# KiCad board TRX055.01.01.PB.00.00.kicad_pcb (continued)
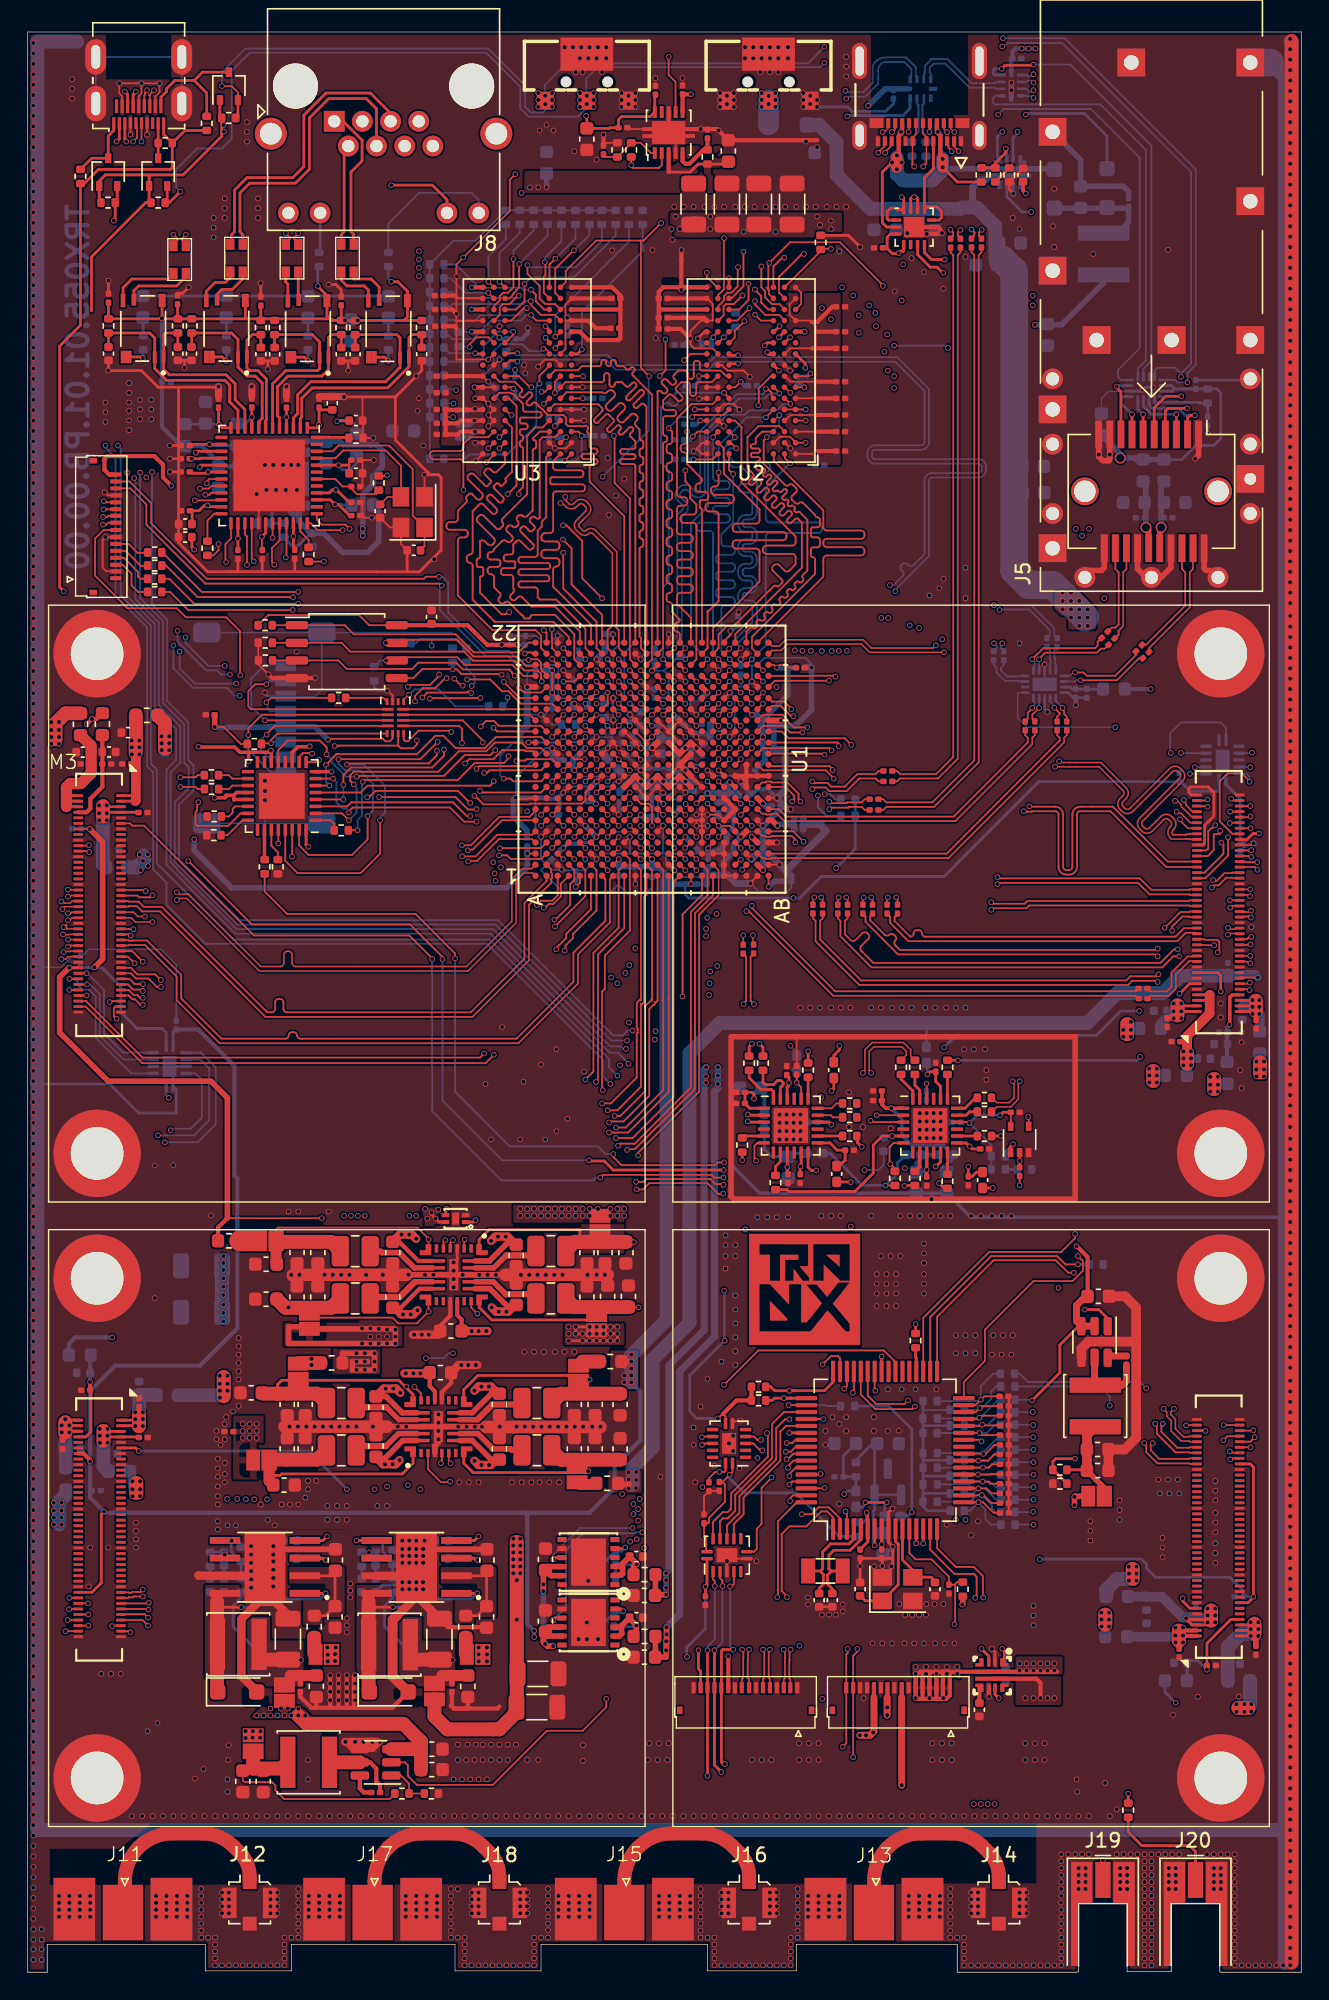
[diagram p0: board, top side]
## Routing (per net, layer and track width the routed paths; a pad name or vN(x,y) marks a point on that pad's centre or on a via; arc(x,y) is an arc through that point) (continued)
/ZynqDDR/DDR_A3: length 94.2
  Top w0.127: 54.58,119 54.17,119.41 53.17,119.41 52.43,120.15 v1(52.43,120.4) ; U1.L19 v1(44.2,93.8) ; 38.41,119 38,119.41 36.99,119.41 36.26,120.14 v1(36.26,120.4)
  In2.Cu w0.127: v1(63,120.45) 62.1,119.55 v1(61.1,119.55) ; v1(52.43,120.4) 52.28,120.25 52.2,120.25 52.18,120.26 51.88,120.26 51.86,120.25 44.44,120.25 arc(44.35,120.21) 44.31,120.12 arc(44.28,120.03) 44.19,120 43.84,120 arc(43.75,120.03) 43.71,120.12 arc(43.68,120.21) 43.59,120.25 36.41,120.25 v1(36.26,120.4)
  In4.Cu w0.127: v1(63,120.45) 63,120.4 64.49,118.91 64.49,106.61 64.23,106.35 arc(64.06,106.28) 63.89,106.35 63.63,106.62 arc(63.46,106.69) 63.29,106.62 63.21,106.53 arc(63.14,106.36) 63.21,106.19 63.47,105.93 arc(63.54,105.76) 63.47,105.59 62.88,105 arc(62.84,104.9) 62.88,104.79 arc(62.93,104.68) 62.88,104.58 62.67,104.37 arc(62.56,104.32) 62.46,104.37 61.92,104.9 arc(61.75,104.97) 61.58,104.9 61.5,104.82 arc(61.43,104.65) 61.5,104.48 62.03,103.94 arc(62.08,103.84) 62.03,103.73 61.82,103.52 arc(61.71,103.47) 61.61,103.52 61.07,104.05 arc(60.9,104.13) 60.73,104.05 60.65,103.97 arc(60.58,103.8) 60.65,103.63 61.18,103.09 arc(61.23,102.99) 61.18,102.88 60.97,102.67 arc(60.87,102.62) 60.76,102.67 60.22,103.21 arc(60.05,103.28) 59.88,103.21 59.8,103.12 arc(59.73,102.95) 59.8,102.78 60.39,102.19 arc(60.45,102.03) 60.39,101.87 60.28,101.77 arc(60.12,101.7) 59.96,101.77 arc(59.81,101.83) 59.65,101.77 59.27,101.39 58.62,101.39 arc(58.45,101.46) 58.38,101.63 58.38,101.8 arc(58.31,101.97) 58.14,102.04 58.02,102.04 arc(57.85,101.97) 57.78,101.8 57.78,101.63 arc(57.71,101.46) 57.54,101.39 57.42,101.39 arc(57.25,101.46) 57.18,101.63 57.18,101.8 arc(57.11,101.97) 56.94,102.04 56.82,102.04 arc(56.65,101.97) 56.58,101.8 56.58,101.63 arc(56.51,101.46) 56.34,101.39 56.22,101.39 arc(56.05,101.46) 55.98,101.63 55.98,101.8 arc(55.91,101.97) 55.74,102.04 55.62,102.04 arc(55.45,101.97) 55.38,101.8 55.38,101.63 arc(55.31,101.46) 55.14,101.39 54.89,101.39 54.43,100.93 arc(54.29,100.87) 54.15,100.93 arc(54.01,100.99) 53.86,100.93 53.72,100.79 arc(53.66,100.65) 53.72,100.51 53.95,100.28 arc(53.99,100.19) 53.95,100.1 53.71,99.85 arc(53.62,99.82) 53.53,99.85 53.3,100.08 arc(53.16,100.14) 53.02,100.08 52.87,99.94 arc(52.82,99.8) 52.87,99.66 53.1,99.43 arc(53.14,99.34) 53.1,99.25 52.86,99 arc(52.77,98.97) 52.68,99 arc(52.59,99.04) 52.5,99 52.03,98.53 50.73,98.53 arc(50.56,98.46) 50.49,98.29 50.49,98.07 arc(50.42,97.9) 50.25,97.83 50.13,97.83 arc(49.96,97.9) 49.89,98.07 49.89,98.29 arc(49.82,98.46) 49.65,98.53 48.83,98.53 46.56,96.26 46.56,96.25 46.35,96.04 46.34,96.04 45.2,94.9 45.2,94.8 v1(44.2,93.8) ; v1(61.1,119.55) 60.65,119.55 59.8,120.4 v1(52.43,120.4) ; v1(36.26,120.4) 36.16,120.3
  Bottom w0.127: v1(36.26,120.4) 35.95,120.4 35.75,120.2 30.63,120.2 30.48,120.05 R40.1
/ZynqDDR/DDR_A4: length 91.7
  Top w0.127: 49.78,119.8 49.78,120.05 50.19,120.46 50.19,120.75 50.19,120.76 50.19,120.76 50.44,121.01 50.72,121.01 51.18,121.47 51.18,122.83 v1(51.2,122.85) ; v1(35.01,123.44) 35.01,122.96 35.01,122.96 35.01,121.4 34.62,121.01 34.27,121.01 34.02,120.76 34.02,120.46 33.61,120.05 33.61,119.8
  Top w0.2: U1.K17 v1(43.43,92.17)
  In2.Cu w0.127: v1(63.1,123.05) 54.36,123.05 53.84,123.57 51.92,123.57 v1(51.2,122.85) 36.97,122.85 36.37,123.45 35.42,123.45 35.41,123.44 v1(35.01,123.44)
  In4.Cu w0.127: v1(63.1,123.05) 63.11,123.05 67.26,118.91 67.26,102.66 63.1,98.5 56.9,98.5 53.98,95.58 53.88,95.58 52.52,94.22 49.71,94.22 48.64,93.15 48.64,92.85 48.42,92.64 48.12,92.64 47.84,92.35 47.84,92.05 47.59,91.8 U1.K17 v1(43.43,92.17)
  Bottom w0.127: R36.1 36.47,125.49 35.01,124.03 v1(35.01,123.44)
/ZynqDDR/DDR_A5: length 96.6
  Top w0.127: v1(52.88,122.9) 52.88,121.4 53.15,121.12 53.15,120.67 53.64,120.19 54.19,120.19 54.58,119.8 ; 38.41,119.8 38.02,120.19 37.47,120.19 37.45,120.21 37.29,120.21 36.9,120.6 36.9,121.5 36.02,122.38 v1(36.02,123)
  Top w0.2: U1.K18 v1(43.4,93)
  In2.Cu w0.127: v1(52.88,122.9) 53.03,122.75 58.05,122.75 59.1,121.7 59.1,105.95 57.65,104.5 49.85,104.5 43.76,98.41 43.76,93.36 v1(43.4,93)
  In4.Cu w0.127: v1(52.88,122.9) 52.48,122.5 51.37,122.5 51.35,122.49 51.05,122.49 51.03,122.5 50.15,122.5 49.55,121.9 46.53,121.9 arc(46.36,121.83) 46.29,121.66 46.29,121.16 arc(46.22,120.99) 46.05,120.92 45.93,120.92 arc(45.76,120.99) 45.69,121.16 45.69,122.64 arc(45.62,122.81) 45.45,122.88 45.33,122.88 arc(45.16,122.81) 45.09,122.64 45.09,121.16 arc(45.02,120.99) 44.85,120.92 44.73,120.92 arc(44.56,120.99) 44.49,121.16 44.49,122.44 arc(44.42,122.61) 44.25,122.68 44.13,122.68 arc(43.96,122.61) 43.89,122.44 43.89,121.16 arc(43.82,120.99) 43.65,120.92 43.53,120.92 arc(43.36,120.99) 43.29,121.16 43.29,122.44 arc(43.22,122.61) 43.05,122.68 42.93,122.68 arc(42.76,122.61) 42.69,122.44 42.69,121.16 arc(42.62,120.99) 42.45,120.92 42.33,120.92 arc(42.16,120.99) 42.09,121.16 42.09,121.66 arc(42.02,121.83) 41.85,121.9 41.73,121.9 arc(41.56,121.83) 41.49,121.66 41.49,121.16 arc(41.42,120.99) 41.25,120.92 41.13,120.92 arc(40.96,120.99) 40.89,121.16 40.89,122.44 arc(40.82,122.61) 40.65,122.68 40.53,122.68 arc(40.36,122.61) 40.29,122.44 40.29,121.31 arc(40.22,121.14) 40.05,121.07 39.93,121.07 arc(39.76,121.14) 39.69,121.31 39.69,121.66 arc(39.62,121.83) 39.45,121.9 39.2,121.9 38.75,122.35 36.95,122.35 36.3,123 v1(36.02,123)
  Bottom w0.127: v1(36.02,123) 36.17,122.85 39.51,122.85 41.39,124.72 R33.1
/ZynqDDR/DDR_A6: length 104.2
  Top w0.127: v1(50.2,124.95) 50.18,124.93 50.18,121.25 49.78,120.85 49.78,120.6 ; U3.R8 v1(33.2,121)
  Top w0.2: U1.J16 v1(42.6,91.4)
  In4.Cu w0.127: v1(33.2,121) 33.95,121 34.45,121.5 34.45,124.16 35.48,125.19 49.96,125.19 v1(50.2,124.95) 60.33,124.95 65.74,119.54 65.74,109.1 arc(65.79,108.98) 65.91,108.93 arc(66.04,108.88) 66.09,108.75 66.09,108.5 arc(66.04,108.38) 65.91,108.33 65.54,108.33 arc(65.4,108.27) 65.34,108.13 65.34,107.93 arc(65.4,107.79) 65.54,107.73 65.91,107.73 arc(66.04,107.68) 66.09,107.55 66.09,107.3 arc(66.04,107.18) 65.91,107.13 65.54,107.13 arc(65.4,107.07) 65.34,106.93 65.34,106.73 arc(65.4,106.59) 65.54,106.53 65.91,106.53 arc(66.04,106.48) 66.09,106.35 66.09,106.1 arc(66.04,105.98) 65.91,105.93 65.54,105.93 arc(65.4,105.87) 65.34,105.73 65.34,105.53 arc(65.4,105.39) 65.54,105.33 65.91,105.33 arc(66.04,105.28) 66.09,105.15 66.09,104.9 arc(66.04,104.78) 65.91,104.73 65.48,104.73 arc(65.31,104.66) 65.24,104.49 65.24,104.37 arc(65.31,104.2) 65.48,104.13 65.5,104.13 arc(65.67,104.06) 65.74,103.89 65.74,103.24 65.33,102.83 arc(65.16,102.76) 64.99,102.83 64.44,103.37 arc(64.27,103.44) 64.1,103.37 64.02,103.29 arc(63.95,103.12) 64.02,102.95 64.56,102.4 arc(64.63,102.23) 64.56,102.06 63.45,100.95 62,100.95 61.1,100.05 55.2,100.05 52.25,97.1 48.95,97.1 47.9,96.05 47.53,96.05 46.96,95.48 46.96,95.16 46.9,95.1 46.9,94.62 44.92,92.64 43.38,92.64 43.06,92.32 43.06,91.86 v1(42.6,91.4)
  Bottom w0.127: 43.72,95.77 43.01,95.06 43.01,91.81 v1(42.6,91.4) ; R30.1 30.5,122.05 31.55,121 v1(33.2,121)
/ZynqDDR/DDR_A7: length 102.5
  Top w0.127: v1(39.37,124.06) 39.35,124.06 38.89,123.61 38.02,122.74 38.02,120.99 38.41,120.6 ; 54.58,120.6 54.19,120.99 54.17,120.99 54.15,121.01 54.15,122.15 55.8,123.8 v1(55.95,123.8)
  Top w0.2: U1.J17 v1(42.6,92.2)
  In4.Cu w0.127: v1(39.37,124.06) 39.76,124.45 55.3,124.45 v1(55.95,123.8) 56.22,123.53 60.72,123.53 65.07,119.18 65.07,104.72 63.8,103.45 arc(63.63,103.38) 63.46,103.45 62.87,104.04 arc(62.7,104.11) 62.53,104.04 62.45,103.95 arc(62.38,103.78) 62.45,103.61 63.93,102.14 arc(64,101.97) 63.93,101.8 63.84,101.71 arc(63.67,101.64) 63.5,101.71 62.03,103.19 arc(61.86,103.26) 61.69,103.19 61.6,103.1 arc(61.53,102.93) 61.6,102.76 62.69,101.68 arc(62.76,101.51) 62.69,101.34 62.61,101.25 arc(62.44,101.18) 62.27,101.25 61.18,102.34 arc(61.01,102.41) 60.84,102.34 60.75,102.26 arc(60.68,102.09) 60.75,101.92 61.34,101.33 arc(61.41,101.16) 61.34,100.99 60.88,100.53 60.2,100.53 arc(60.13,100.5) 60.1,100.42 arc(60.07,100.35) 59.99,100.32 59.6,100.32 arc(59.53,100.35) 59.5,100.42 59.5,100.9 arc(59.43,101.07) 59.26,101.14 59.14,101.14 arc(58.97,101.07) 58.9,100.9 58.9,100.42 arc(58.87,100.35) 58.79,100.32 58.4,100.32 arc(58.33,100.35) 58.3,100.42 58.3,100.9 arc(58.23,101.07) 58.06,101.14 57.94,101.14 arc(57.77,101.07) 57.7,100.9 57.7,100.42 arc(57.67,100.35) 57.59,100.32 57.2,100.32 arc(57.13,100.35) 57.1,100.42 57.1,100.9 arc(57.03,101.07) 56.86,101.14 56.74,101.14 arc(56.57,101.07) 56.5,100.9 56.5,100.42 arc(56.47,100.35) 56.39,100.32 56,100.32 arc(55.93,100.35) 55.9,100.42 55.9,100.9 arc(55.83,101.07) 55.66,101.14 55.54,101.14 arc(55.37,101.07) 55.3,100.9 55.3,100.77 arc(55.23,100.6) 55.06,100.53 54.73,100.53 51.8,97.6 48.9,97.6 47.6,96.3 46.96,96.3 46.2,95.54 46.2,94.46 45.15,93.41 43.3,93.41 43.04,93.15 43.04,92.64 v1(42.6,92.2)
  Bottom w0.127: R38.1 40.48,125.18 v1(39.37,124.06) ; v1(42.6,92.2) 42.2,92.6 42.2,95.23 43,96.03
/ZynqDDR/DDR_A8: length 92.1
  Top w0.1: v1(33.2,121.8) U3.T8
  Top w0.127: v1(48.95,122.45) 48.95,122.15 49.7,121.4 U2.T8
  Top w0.2: U1.J18 v1(42.6,93)
  In2.Cu w0.127: 37.1,122.45 v1(48.95,122.45) 55.55,122.45 arc(55.62,122.42) 55.65,122.35 55.65,121.78 arc(55.68,121.71) 55.75,121.68 55.8,121.68 arc(55.87,121.71) 55.9,121.78 55.9,122.35 arc(55.93,122.42) 56,122.45 56.05,122.45 arc(56.12,122.42) 56.15,122.35 56.15,120.38 arc(56.18,120.31) 56.25,120.28 56.3,120.28 arc(56.37,120.31) 56.4,120.38 56.4,122.35 arc(56.43,122.42) 56.5,122.45 56.55,122.45 arc(56.62,122.42) 56.65,122.35 56.65,120.38 arc(56.68,120.31) 56.75,120.28 56.8,120.28 arc(56.87,120.31) 56.9,120.38 56.9,122.35 arc(56.93,122.42) 57,122.45 58.35,121.1 58.35,120.28 arc(58.28,120.11) 58.11,120.04 58.09,120.04 arc(57.92,119.97) 57.85,119.8 57.85,119.68 arc(57.92,119.51) 58.09,119.44 58.11,119.44 arc(58.28,119.37) 58.35,119.2 58.35,118.95 arc(58.3,118.83) 58.17,118.78 arc(58.05,118.72) 58,118.6 58,118.35 arc(58.05,118.23) 58.17,118.17 arc(58.3,118.12) 58.35,118 58.35,108.7 arc(58.29,108.56) 58.15,108.5 arc(58.01,108.44) 57.95,108.3 57.95,108.1 arc(58.01,107.96) 58.15,107.9 arc(58.29,107.84) 58.35,107.7 57.59,106.94 arc(57.52,106.77) 57.59,106.6 57.67,106.51 arc(57.74,106.34) 57.67,106.17 57.59,106.09 arc(57.42,106.02) 57.25,106.09 56.77,106.56 arc(56.61,106.63) 56.44,106.56 56.35,106.48 arc(56.28,106.31) 56.35,106.14 56.4,106.09 arc(56.47,105.92) 56.4,105.75 55.15,105.75 arc(55.06,105.71) 55.03,105.62 arc(54.99,105.54) 54.9,105.5 54.55,105.5 arc(54.46,105.54) 54.42,105.62 arc(54.39,105.71) 54.3,105.75 53.95,105.75 arc(53.86,105.71) 53.83,105.62 arc(53.79,105.54) 53.7,105.5 53.35,105.5 arc(53.26,105.54) 53.22,105.62 arc(53.19,105.71) 53.1,105.75 52.75,105.75 arc(52.66,105.71) 52.62,105.62 arc(52.59,105.54) 52.5,105.5 52.15,105.5 arc(52.06,105.54) 52.03,105.62 arc(51.99,105.71) 51.9,105.75 51.55,105.75 arc(51.46,105.71) 51.42,105.62 arc(51.39,105.54) 51.3,105.5 50.95,105.5 arc(50.86,105.54) 50.83,105.62 arc(50.79,105.71) 50.7,105.75 50.35,105.75 arc(50.26,105.71) 50.22,105.62 arc(50.19,105.54) 50.1,105.5 49.75,105.5 arc(49.66,105.54) 49.62,105.62 arc(49.59,105.71) 49.5,105.75 48.76,105.01 arc(48.71,104.88) 48.76,104.76 arc(48.81,104.64) 48.76,104.51 48.58,104.34 arc(48.46,104.29) 48.33,104.34 arc(48.21,104.39) 48.09,104.34 47.91,104.16 arc(47.86,104.04) 47.91,103.91 arc(47.96,103.79) 47.91,103.67 47.73,103.49 arc(47.61,103.44) 47.49,103.49 arc(47.36,103.54) 47.24,103.49 47.06,103.31 arc(47.01,103.19) 47.06,103.06 arc(47.11,102.94) 47.06,102.82 46.88,102.64 arc(46.76,102.59) 46.64,102.64 arc(46.51,102.69) 46.39,102.64 46.21,102.46 arc(46.16,102.34) 46.21,102.22 arc(46.26,102.09) 46.21,101.97 46.04,101.79 arc(45.91,101.74) 45.79,101.79 arc(45.67,101.84) 45.54,101.79 45.36,101.61 arc(45.31,101.49) 45.36,101.37 arc(45.42,101.24) 45.36,101.12 45.19,100.94 arc(45.06,100.89) 44.94,100.94 arc(44.82,100.99) 44.69,100.94 44.52,100.77 arc(44.46,100.64) 44.52,100.52 arc(44.57,100.39) 44.52,100.27 44.34,100.09 arc(44.22,100.04) 44.09,100.09 43.54,100.65 arc(43.37,100.72) 43.2,100.65 43.11,100.56 arc(43.04,100.39) 43.11,100.23 43.37,99.96 arc(43.44,99.79) 43.37,99.62 42.9,99.15 42.9,96.25 42.96,96.19 42.96,93.36 v1(42.6,93) ; 37.1,122.45 36.55,122.45 36.49,122.51 36.31,122.51 arc(36.24,122.49) 36.21,122.41 arc(36.18,122.34) 36.11,122.31 35.98,122.31 arc(35.91,122.34) 35.88,122.41 arc(35.85,122.49) 35.78,122.51 35.65,122.51 arc(35.58,122.49) 35.55,122.41 arc(35.52,122.34) 35.45,122.31 35.32,122.31 arc(35.25,122.34) 35.22,122.41 35.22,122.68 arc(35.18,122.78) 35.09,122.81 35.02,122.81 arc(34.93,122.78) 34.89,122.68 34.89,122.15 arc(34.85,122.05) 34.76,122.01 34.69,122.01 arc(34.6,122.05) 34.56,122.15 34.56,122.38 arc(34.52,122.48) 34.43,122.51 34.08,122.16 33.56,122.16 v1(33.2,121.8) ; 37.1,122.45 37,122.45
  In4.Cu w0.127: v1(33.2,121.8) 33.25,121.85
  Bottom w0.1: v1(33.2,121.8) 33.11,121.8
  Bottom w0.127: v1(33.2,121.8) 33.21,121.81 33.21,123.61 34.47,124.87 R16.1
/ZynqDDR/DDR_A9: length 94
  Top w0.127: 53.43,121.2 53.39,121.24 53.39,123.08 v1(53.45,123.15) 54.95,124.64 58.56,124.64 61.48,121.72 61.48,121.67 v1(61.65,121.5) ; 53.43,121.2 53.25,121.38 ; 53.43,121.2 53.43,120.92 U2.R3 53.78,120.6 ; 37.32,123.17 37.32,122.29 37.2,122.17 37.2,121.01 37.61,120.6 37.61,120.6
  Top w0.2: U1.H18 v1(41.8,93)
  In4.Cu w0.127: v1(53.45,123.15) 53.34,123.26 44.36,123.26 44.01,122.91 42.08,122.91 arc(41.91,122.84) 41.84,122.67 41.84,122.4 arc(41.77,122.23) 41.6,122.16 41.48,122.16 arc(41.31,122.23) 41.24,122.4 41.24,123.22 arc(41.17,123.39) 41,123.46 40.88,123.46 arc(40.71,123.39) 40.64,123.22 40.64,123.15 arc(40.57,122.98) 40.4,122.91 37.48,122.91 37.28,123.11 ; v1(61.65,121.5) 61.65,121.17 63.7,119.12 63.7,107.37 62.37,106.05 arc(62.21,105.98) 62.04,106.05 61.44,106.64 arc(61.27,106.71) 61.1,106.64 61.02,106.56 arc(60.95,106.39) 61.02,106.22 61.61,105.62 arc(61.68,105.45) 61.61,105.29 61.53,105.2 arc(61.36,105.13) 61.19,105.2 60.59,105.79 arc(60.42,105.86) 60.25,105.79 60.17,105.71 arc(60.1,105.54) 60.17,105.37 60.76,104.78 arc(60.83,104.61) 60.76,104.44 60.68,104.35 arc(60.51,104.28) 60.34,104.35 59.74,104.95 arc(59.57,105.02) 59.41,104.95 59.32,104.86 arc(59.25,104.69) 59.32,104.52 59.91,103.93 arc(59.98,103.76) 59.91,103.59 59.83,103.5 arc(59.66,103.43) 59.49,103.5 58.9,104.1 arc(58.73,104.17) 58.56,104.1 58.47,104.01 arc(58.4,103.84) 58.47,103.67 59.07,103.08 arc(59.14,102.91) 59.07,102.74 58.61,102.28 57.76,102.28 arc(57.59,102.35) 57.52,102.52 57.52,102.81 arc(57.45,102.98) 57.28,103.05 57.16,103.05 arc(56.99,102.98) 56.92,102.81 56.92,102.52 arc(56.85,102.35) 56.68,102.28 56.56,102.28 arc(56.39,102.35) 56.32,102.52 56.32,102.81 arc(56.25,102.98) 56.08,103.05 55.96,103.05 arc(55.79,102.98) 55.72,102.81 55.72,102.52 arc(55.65,102.35) 55.48,102.28 54.83,102.28 54.37,101.82 arc(54.2,101.75) 54.03,101.82 53.94,101.92 arc(53.77,101.99) 53.6,101.92 53.51,101.84 arc(53.44,101.67) 53.51,101.5 53.61,101.4 arc(53.68,101.23) 53.61,101.06 53.53,100.98 arc(53.36,100.9) 53.19,100.98 53.09,101.07 arc(52.92,101.14) 52.75,101.07 52.66,100.99 arc(52.59,100.82) 52.66,100.65 52.76,100.55 arc(52.83,100.38) 52.76,100.21 51.4,98.85 47.93,98.85 43.04,93.95 43.04,93.65 42.82,93.44 42.24,93.44 v1(41.8,93)
  Bottom w0.127: v1(37.28,123.22) 37.28,123.52 38.47,124.72 R37.1
/ZynqDDR/DDR_A10: length 95.1
  Top w0.127: 50.58,117.4 50.97,117.79 50.97,118.27 v1(51.67,118.97) ; 34.41,117.4 35,117.99 v1(35,118.2)
  Top w0.2: U1.J20 v1(42.6,94.6)
  In2.Cu w0.127: v1(57.9,119.1) 57.9,119 57.65,118.75 57.65,117.9 arc(57.7,117.78) 57.82,117.73 57.94,117.73 arc(58.06,117.68) 58.11,117.56 58.11,117.47 arc(58.06,117.35) 57.94,117.3 57.82,117.3 arc(57.7,117.25) 57.65,117.13 57.65,117.04 arc(57.7,116.92) 57.82,116.87 57.94,116.87 arc(58.06,116.82) 58.11,116.7 58.11,116.61 arc(58.06,116.49) 57.94,116.44 57.82,116.44 arc(57.7,116.39) 57.65,116.27 57.65,116.18 arc(57.7,116.06) 57.82,116.01 57.94,116.01 arc(58.06,115.96) 58.11,115.84 58.11,115.75 arc(58.06,115.63) 57.94,115.58 57.82,115.58 arc(57.7,115.53) 57.65,115.41 57.65,115.32 arc(57.7,115.2) 57.82,115.15 57.94,115.15 arc(58.06,115.1) 58.11,114.98 58.11,114.89 arc(58.06,114.77) 57.94,114.72 57.82,114.72 arc(57.7,114.67) 57.65,114.55 57.65,114.46 arc(57.7,114.34) 57.82,114.29 57.94,114.29 arc(58.06,114.24) 58.11,114.12 58.11,114.03 arc(58.06,113.91) 57.94,113.86 57.82,113.86 arc(57.7,113.81) 57.65,113.69 57.65,113.6 arc(57.7,113.48) 57.82,113.43 57.94,113.43 arc(58.06,113.38) 58.11,113.26 58.11,113.17 arc(58.06,113.05) 57.94,113 57.82,113 arc(57.7,112.95) 57.65,112.83 57.65,112.74 arc(57.7,112.62) 57.82,112.57 57.94,112.57 arc(58.06,112.52) 58.11,112.4 58.11,112.31 arc(58.06,112.19) 57.94,112.14 57.82,112.14 arc(57.7,112.09) 57.65,111.97 57.65,111.88 arc(57.7,111.76) 57.82,111.71 57.94,111.71 arc(58.06,111.66) 58.11,111.54 58.11,111.45 arc(58.06,111.33) 57.94,111.28 57.82,111.28 arc(57.7,111.23) 57.65,111.11 57.65,111.02 arc(57.7,110.9) 57.82,110.85 57.94,110.85 arc(58.06,110.8) 58.11,110.68 58.11,110.59 arc(58.06,110.47) 57.94,110.42 57.55,110.42 arc(57.47,110.39) 57.44,110.32 57.44,110.1 arc(57.47,110.02) 57.55,109.99 57.94,109.99 arc(58.06,109.94) 58.11,109.82 58.11,109.73 arc(58.06,109.61) 57.94,109.56 57.82,109.56 arc(57.7,109.51) 57.65,109.39 57.65,109.3 arc(57.7,109.18) 57.82,109.13 57.94,109.13 arc(58.06,109.08) 58.11,108.96 58.11,108.87 arc(58.06,108.75) 57.94,108.7 57.31,108.7 arc(57.19,108.65) 57.14,108.53 57.14,108.44 arc(57.19,108.32) 57.31,108.27 57.48,108.27 arc(57.6,108.22) 57.65,108.1 57.09,107.54 arc(57.04,107.42) 57.09,107.3 57.21,107.18 arc(57.26,107.06) 57.21,106.94 57.15,106.88 arc(57.03,106.83) 56.9,106.88 56.28,107.5 arc(56.16,107.55) 56.04,107.5 55.98,107.43 arc(55.93,107.31) 55.98,107.19 56.24,106.93 arc(56.29,106.81) 56.24,106.69 55.9,106.35 55.44,106.35 arc(55.32,106.3) 55.27,106.18 55.27,106.16 arc(55.22,106.04) 55.1,105.99 55.01,105.99 arc(54.89,106.04) 54.84,106.16 54.84,106.18 arc(54.79,106.3) 54.67,106.35 54.58,106.35 arc(54.46,106.3) 54.41,106.18 54.41,106.16 arc(54.36,106.04) 54.24,105.99 54.15,105.99 arc(54.03,106.04) 53.98,106.16 53.98,106.18 arc(53.93,106.3) 53.81,106.35 53.72,106.35 arc(53.6,106.3) 53.55,106.18 53.55,106.16 arc(53.5,106.04) 53.38,105.99 53.29,105.99 arc(53.17,106.04) 53.12,106.16 53.12,106.18 arc(53.07,106.3) 52.95,106.35 52.86,106.35 arc(52.74,106.3) 52.69,106.18 52.69,106.16 arc(52.64,106.04) 52.52,105.99 52.43,105.99 arc(52.31,106.04) 52.26,106.16 52.26,106.18 arc(52.21,106.3) 52.09,106.35 52,106.35 arc(51.88,106.3) 51.83,106.18 51.83,106.16 arc(51.78,106.04) 51.66,105.99 51.57,105.99 arc(51.45,106.04) 51.4,106.16 51.4,106.18 arc(51.35,106.3) 51.23,106.35 51.14,106.35 arc(51.02,106.3) 50.97,106.18 50.97,106.16 arc(50.92,106.04) 50.8,105.99 50.71,105.99 arc(50.59,106.04) 50.54,106.16 50.54,106.18 arc(50.49,106.3) 50.37,106.35 50.28,106.35 arc(50.16,106.3) 50.11,106.18 50.11,106.16 arc(50.06,106.04) 49.94,105.99 49.85,105.99 arc(49.73,106.04) 49.68,106.16 49.68,106.18 arc(49.63,106.3) 49.51,106.35 48.55,106.35 48.43,106.23 arc(48.31,106.18) 48.19,106.23 47.89,106.52 arc(47.77,106.57) 47.65,106.52 47.59,106.46 arc(47.54,106.34) 47.59,106.22 48.42,105.39 arc(48.47,105.27) 48.42,105.15 48.36,105.08 arc(48.24,105.03) 48.12,105.08 47.82,105.38 arc(47.7,105.43) 47.58,105.38 47.52,105.32 arc(47.47,105.2) 47.52,105.07 47.81,104.78 arc(47.86,104.66) 47.81,104.54 47.75,104.48 arc(47.63,104.43) 47.51,104.48 47.21,104.77 arc(47.09,104.82) 46.97,104.77 46.91,104.71 arc(46.86,104.59) 46.91,104.47 47.2,104.17 arc(47.25,104.05) 47.2,103.93 47.14,103.87 arc(47.02,103.82) 46.9,103.87 46.61,104.16 arc(46.48,104.21) 46.36,104.16 46.3,104.1 arc(46.25,103.98) 46.3,103.86 46.6,103.56 arc(46.65,103.44) 46.6,103.32 46.53,103.26 arc(46.41,103.21) 46.29,103.26 46,103.55 arc(45.88,103.6) 45.75,103.55 45.69,103.49 arc(45.64,103.37) 45.69,103.25 45.99,102.96 arc(46.04,102.83) 45.99,102.71 45.93,102.65 arc(45.81,102.6) 45.68,102.65 45.39,102.95 arc(45.27,103) 45.15,102.95 45.09,102.89 arc(45.03,102.76) 45.09,102.64 45.38,102.35 arc(45.43,102.23) 45.38,102.1 45.32,102.04 arc(45.2,101.99) 45.08,102.04 44.78,102.34 arc(44.66,102.39) 44.54,102.34 44.48,102.28 arc(44.43,102.16) 44.48,102.03 44.77,101.74 arc(44.82,101.62) 44.77,101.5 44.71,101.44 arc(44.59,101.39) 44.47,101.44 44.17,101.73 arc(44.05,101.78) 43.93,101.73 43.87,101.67 arc(43.82,101.55) 43.87,101.43 44.16,101.13 arc(44.21,101.01) 44.16,100.89 44.1,100.83 arc(43.98,100.78) 43.86,100.83 43.03,101.66 arc(42.91,101.71) 42.78,101.66 42.72,101.6 arc(42.67,101.48) 42.72,101.36 43.02,101.06 arc(43.07,100.94) 43.02,100.82 42.6,100.4 v1(42.6,94.6)
  In4.Cu w0.127: v1(35,118.2) 35,118.63 35.36,118.99 38.11,118.99 arc(38.21,118.95) 38.25,118.85 arc(38.29,118.75) 38.39,118.71 39.41,118.71 arc(39.51,118.75) 39.55,118.85 39.55,119.13 arc(39.59,119.23) 39.69,119.27 40.71,119.27 arc(40.81,119.23) 40.85,119.13 arc(40.89,119.03) 40.99,118.99 51.65,118.99 v1(51.67,118.97) 57.77,118.97 v1(57.9,119.1)
  Bottom w0.127: v1(35,118.2) 33.89,118.2 32.86,117.17 32.86,116.44 32.47,116.05 R10.1
/ZynqDDR/DDR_A11: length 93.7
  Top w0.127: v1(35.42,123.08) 35.42,122.56 35.42,122.56 35.42,121.41 35.21,121.2 35.21,121.15 35.01,120.95 35.01,120.9 34.71,120.6 34.41,120.6 ; 50.58,120.6 50.72,120.6 51.59,121.47 v1(51.59,123.96)
  Top w0.2: U1.G18 v1(41,93)
  In4.Cu w0.127: v1(41,93) 41.44,93.44 41.44,93.95 41.72,94.24 42.75,94.24 43.2,94.68 43.2,95.25 47.6,99.65 50.95,99.65 54.62,103.32 54.97,103.32 arc(55.14,103.39) 55.21,103.56 55.21,104.4 arc(55.28,104.57) 55.45,104.64 55.57,104.64 arc(55.74,104.57) 55.81,104.4 55.81,103.56 arc(55.88,103.39) 56.05,103.32 57.14,103.32 arc(57.21,103.49) 57.14,103.66 56.62,104.18 arc(56.55,104.35) 56.62,104.52 56.7,104.61 arc(56.87,104.68) 57.04,104.61 57.81,103.84 arc(57.89,103.8) 57.97,103.84 58.24,104.1 arc(58.27,104.18) 58.24,104.26 57.04,105.46 arc(56.97,105.63) 57.04,105.79 57.13,105.88 arc(57.3,105.95) 57.47,105.88 58.66,104.68 arc(58.74,104.65) 58.82,104.68 59.09,104.95 arc(59.12,105.03) 59.09,105.11 57.89,106.3 arc(57.82,106.47) 57.89,106.64 57.98,106.73 arc(58.15,106.8) 58.32,106.73 59.26,105.78 arc(59.43,105.71) 59.6,105.78 59.93,106.11 63.3,109.48 63.3,118.75 59.1,122.95 56,122.95 54.99,123.96 v1(51.59,123.96) 51.33,123.7 44.3,123.7 arc(44.13,123.63) 44.06,123.46 44.06,123.39 arc(43.99,123.22) 43.82,123.15 43.7,123.15 arc(43.53,123.22) 43.46,123.39 43.46,123.46 arc(43.39,123.63) 43.22,123.7 39.22,123.7 38.96,123.96 37.95,123.96 37.56,124.35 36.65,124.35 35.76,123.46 35.76,123.42 v1(35.42,123.08)
  Bottom w0.127: v1(35.42,123.08) 37.47,125.13 R31.1
/ZynqDDR/DDR_A12: length 97.4
  Top w0.127: v1(52.03,119.9) 51.13,119 50.58,119 ; 36.01,119.9 v1(35.97,119.9) 35.76,119.9 34.86,119 34.41,119
  Top w0.2: U1.H19 v1(41.8,93.8)
  In2.Cu w0.127: v1(41.8,93.8) 42.16,94.16 42.16,95.79 41.8,96.15 41.8,98.4 42.15,98.75 42.15,99.17 arc(42.08,99.34) 41.91,99.41 41.37,99.41 arc(41.2,99.48) 41.13,99.65 41.13,99.77 arc(41.2,99.94) 41.37,100.01 42.26,100.01 arc(42.34,100.04) 42.37,100.12 42.37,100.5 arc(42.34,100.58) 42.26,100.61 41.37,100.61 arc(41.2,100.68) 41.13,100.85 41.13,100.97 arc(41.2,101.14) 41.37,101.21 41.91,101.21 arc(42.08,101.28) 42.15,101.45 42.75,102.05 arc(42.92,102.12) 43.09,102.05 43.33,101.81 arc(43.5,101.74) 43.67,101.81 43.76,101.9 arc(43.83,102.07) 43.76,102.24 42.87,103.13 arc(42.79,103.3) 42.87,103.47 42.95,103.55 arc(43.12,103.62) 43.29,103.55 44.18,102.66 arc(44.35,102.59) 44.52,102.66 44.6,102.75 arc(44.68,102.91) 44.6,103.08 43.86,103.83 arc(43.78,104) 43.86,104.17 43.94,104.26 arc(44.11,104.33) 44.28,104.26 45.03,103.51 arc(45.2,103.44) 45.37,103.51 45.45,103.59 arc(45.52,103.76) 45.45,103.93 44.7,104.68 arc(44.63,104.85) 44.7,105.02 44.79,105.11 arc(44.96,105.18) 45.13,105.11 45.88,104.36 arc(46.05,104.29) 46.22,104.36 46.3,104.44 arc(46.37,104.61) 46.3,104.78 45.55,105.53 arc(45.48,105.7) 45.55,105.87 45.64,105.96 arc(45.81,106.03) 45.98,105.96 46.73,105.21 arc(46.9,105.14) 47.07,105.21 47.15,105.29 arc(47.22,105.46) 47.15,105.63 46.4,106.38 arc(46.33,106.55) 46.4,106.72 46.49,106.8 arc(46.66,106.87) 46.83,106.8 46.99,106.63 arc(47.16,106.56) 47.33,106.63 47.7,107 48.85,107 arc(48.96,107.04) 49,107.15 arc(49.04,107.26) 49.15,107.3 49.45,107.3 arc(49.56,107.26) 49.6,107.15 49.6,106.8 arc(49.66,106.66) 49.8,106.6 50,106.6 arc(50.14,106.66) 50.2,106.8 50.2,107.15 arc(50.24,107.26) 50.35,107.3 50.65,107.3 arc(50.76,107.26) 50.8,107.15 50.8,106.8 arc(50.86,106.66) 51,106.6 51.2,106.6 arc(51.34,106.66) 51.4,106.8 51.4,107.15 arc(51.44,107.26) 51.55,107.3 51.85,107.3 arc(51.96,107.26) 52,107.15 52,106.8 arc(52.06,106.66) 52.2,106.6 52.4,106.6 arc(52.54,106.66) 52.6,106.8 52.6,107.15 arc(52.64,107.26) 52.75,107.3 53.05,107.3 arc(53.16,107.26) 53.2,107.15 53.2,106.8 arc(53.26,106.66) 53.4,106.6 53.6,106.6 arc(53.74,106.66) 53.8,106.8 53.8,107.17 arc(53.85,107.3) 53.97,107.35 54.22,107.35 arc(54.35,107.3) 54.4,107.17 54.4,106.8 arc(54.46,106.66) 54.6,106.6 54.8,106.6 arc(54.94,106.66) 55,106.8 arc(55.06,106.94) 55.2,107 56.08,107.88 arc(56.25,107.95) 56.42,107.88 56.57,107.72 arc(56.74,107.65) 56.91,107.72 57,107.81 arc(57.07,107.98) 57,108.15 56.84,108.3 arc(56.77,108.47) 56.84,108.64 57.3,109.1 57.3,109.8 arc(57.26,109.89) 57.17,109.93 arc(57.09,109.96) 57.05,110.05 57.05,110.4 arc(57.09,110.49) 57.17,110.53 arc(57.26,110.56) 57.3,110.65 57.3,119.85 v1(57.25,119.9)